# Allegro board pocketbeagle2-revA_241205.brd (continued)
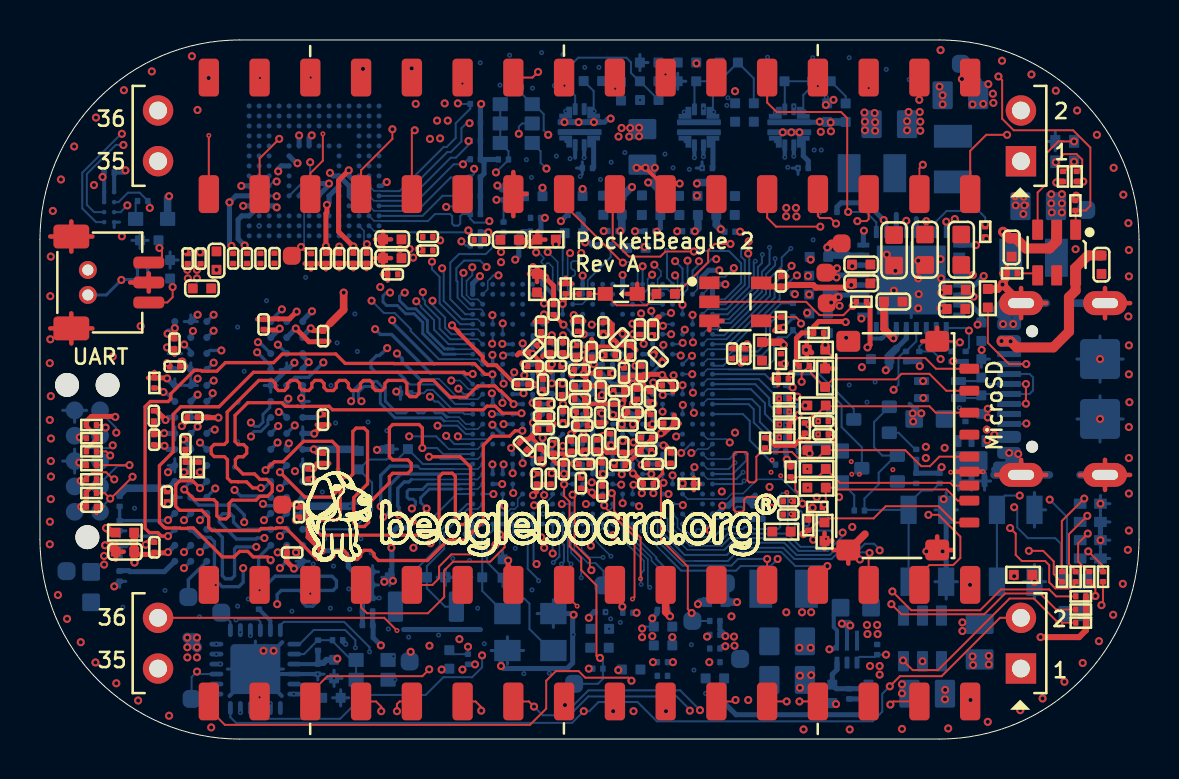
[diagram p0: board, top side]
## Routing (per net, layer and track width the routed paths; a pad name or vN(x,y) marks a point on that pad's centre or on a via; arc(x,y) is an arc through that point) (continued)
DDR_ALERTN: length 30.1
  TOP w0.168: v1(6.41,10.16) 6.08,10.16 5.9,10.34 5.47,10.34 5.26,10.55 5.26,16.64 5.52,16.9 6.41,16.9 6.55,17.03 6.55,17.29 7.67,18.41 7.68,18.41 7.72,18.46 8.06,18.46 8.1,18.42 8.85,18.42 9.28,18.85 11.69,18.85 12.12,19.28 14.8,19.28 15.27,18.81 17.7,18.81 17.71,18.79 21.74,18.79 22.28,18.26 v1(22.64,18.26)
  BOTTOM w0.168: U1.R3 22.66,18.24 v1(22.64,18.26) ; R4.2 4.31,9.64 4.83,10.16 v1(6.41,10.16) U2.P9
DDR_BA0: length 28.6
  LAY8 w0.152: v1(12.01,10.96) 12.01,11.99 12.16,12.14 13.7,12.14 14.06,12.5 14.06,14.32 14.08,14.35 14.08,14.98 14.24,15.13 14.61,15.13 14.77,14.98 14.77,12.86 14.64,12.73 14.64,12.09 14.79,11.94 15.25,11.94 15.4,12.09 15.4,15.52 15.55,15.67 15.85,15.67 16,15.53 16,12.19 16.15,12.04 16.37,12.04 16.52,12.19 16.52,14.29 16.49,14.32 16.49,14.64 16.52,14.67 16.52,15.51 17.64,16.63 19.01,16.63 v1(19.51,17.14)
  BOTTOM w0.102: U1.M1 21.25,16.27 21.17,16.35 20.47,16.35 19.92,16.9 19.76,16.9 v1(19.51,17.14)
  BOTTOM w0.168: U2.N2 v1(12.01,10.96)
DDR_BA1: length 28.9
  LAY8 w0.152: v1(17.38,19.57) 17.25,19.44 16.42,19.44 15.67,20.19 14.26,20.19 13.95,19.89 13.95,19.45 13.76,19.25 13.29,19.25 13.19,19.35 13.19,19.61 13.01,19.79 12.49,19.79 12.06,19.36 11.38,19.36 11.25,19.24 11.25,18.92 11.1,18.77 10.64,18.77 10.52,18.89 10.52,19.17 10.39,19.3 10,19.3 9.45,18.75 9.45,18.53 9.08,18.15 9.08,17.68 9.07,17.68 9.07,17.19 8.74,16.86 8.67,16.86 8.65,16.84 7.43,16.84 7.17,16.59 7.17,16.13 7.48,15.83 7.48,15.46 7.59,15.36 7.59,14.68 7.37,14.46 7.15,14.46 6.99,14.31 6.99,13.85 7.1,13.74 7.37,13.74 7.63,13.48 7.63,12.19 7.17,11.73 7.17,11.37 7.21,11.33 v1(7.21,10.96)
  BOTTOM w0.102: U1.N1 20.78,16.77 19.8,17.75 18.52,17.75 18.29,17.98
  BOTTOM w0.168: v1(17.38,19.57) 17.11,19.31 17.09,19.31 16.99,19.2 16.85,19.2 16.57,18.92 16.57,18.59 16.8,18.36 17.91,18.36 18.29,17.98 ; U2.N8 v1(7.21,10.96)
DDR_BG0: length 28.7
  LAY8 w0.152: 21.45,18.95 21.78,18.61 21.79,18.61 22.47,17.93 23.06,17.93 v1(23.2,17.79) ; 18.75,18.16 17.25,18.16 16.41,17.32 16.11,17.32 15.98,17.45 15.98,18.27 15.71,18.54 15.52,18.54 15.37,18.39 15.37,17.47 15.21,17.32 14.91,17.32 14.76,17.47 14.76,17.51 14.64,17.63 11.88,17.63 11.73,17.47 10.97,17.47 9.69,16.19 9.69,15.36 9.23,14.9 9.23,14.06 10.03,13.26 10.06,13.26 10.52,12.8 10.52,12.19 10.68,12.04 10.9,12.04 v1(11.16,11.78)
  LAY8 w0.168: 18.75,18.16 19.16,18.57 19.16,20.18 19.35,20.37 19.72,20.37 19.9,20.19 19.9,19.18 20.05,19.02 20.42,19.02 20.58,19.19 20.58,19.61 20.75,19.78 21.04,19.78 21.45,19.38 21.45,18.95
  BOTTOM w0.168: U2.M2 11.93,11.68 11.25,11.68 v1(11.16,11.78) ; U1.T4 23.16,17.84 v1(23.2,17.79)
DDR_CKE: length 29.1
  TOP w0.168: v1(19.47,14.13) 21.03,14.13 21.55,13.61 21.55,10.97 21.32,10.74 20.99,10.74 20.79,10.95 20.79,13.16 20.63,13.31 20.15,13.31 19.97,13.13 19.97,10.62 19.57,10.21 14.07,10.21 13.9,10.38 13.9,10.8 14.07,10.97 14.85,10.97 15.02,11.14 v1(15.02,12.57) 14.76,12.31 14.76,12.3 14.57,12.11 13.25,12.11 v1(12.01,13.36)
  BOTTOM w0.081: 20.5,14.02 21.91,14.02 U1.H2
  BOTTOM w0.102: v1(19.47,14.13) 19.94,14.13 20.06,14.02 20.5,14.02
  BOTTOM w0.168: R82.1 15.75,12.58 15.03,12.58 v1(15.02,12.57) ; U2.K2 v1(12.01,13.36)
DDR_CLKN: length 27.3
  LYR3 w0.109: v1(7.21,13.36) 7.5,13.65 7.5,13.8 7.39,13.91 5.7,13.91 4.79,14.82 4.79,17.16 5.05,17.42 5.63,17.42 6.03,17.01 6.62,17.01 6.96,16.68 11.04,16.68 12.02,17.66 15.71,17.66 15.95,17.42 15.95,17.05 v1(16.09,16.92)
  BOTTOM w0.081: U1.L2 21.91,15.52 21.73,15.52 21.73,15.52 21.31,15.52 20.91,15.92 20.23,15.92
  BOTTOM w0.147: 20.23,15.92 20.07,16.08 17.77,16.08 17.03,16.81 17.03,17.38 16.75,17.66 16.23,17.66 15.93,17.35 15.93,17.07 v1(16.09,16.92)
  BOTTOM w0.168: U2.K8 v1(7.21,13.36)
DDR_CLKP: length 27.4
  LYR3 w0.109: v1(8.01,13.36) 7.72,13.65 7.72,13.9 7.48,14.13 7.17,14.13 7.05,14.26 6.74,14.26 6.62,14.13 5.79,14.13 5.01,14.91 5.01,15.29 5.14,15.42 5.14,15.72 5.01,15.85 5.01,16.2 5.14,16.33 5.14,16.64 5.01,16.76 5.01,17.07 5.14,17.19 5.54,17.19 5.94,16.79 6.53,16.79 6.87,16.46 7.17,16.46 7.3,16.33 7.6,16.33 7.73,16.46 8.11,16.46 8.24,16.33 8.54,16.33 8.67,16.46 9.08,16.46 9.2,16.33 9.51,16.33 9.64,16.46 9.94,16.46 10.07,16.33 10.37,16.33 10.5,16.46 11.13,16.46 12.11,17.44 15.62,17.44 15.73,17.33 15.73,17.08 v1(15.57,16.92)
  BOTTOM w0.081: U1.L1 21.32,15.77 20.96,16.12 20.41,16.12
  BOTTOM w0.147: v1(15.57,16.92) 15.68,17.03 15.68,17.46 16.13,17.91 16.86,17.91 17.28,17.48 17.28,16.92 17.87,16.33 18.3,16.33 18.43,16.46 18.79,16.46 18.92,16.33 19.2,16.33 19.36,16.48 19.64,16.48 19.79,16.33 20.14,16.33 20.35,16.12 20.41,16.12
  BOTTOM w0.168: U2.K7 v1(8.01,13.36)
DDR_CSN: length 28.2
  TOP w0.168: v1(24.14,15.43) 23.78,15.43 23.5,15.16 22.64,15.16 22.18,14.71 22.18,10.9 21.24,9.96 20.41,9.96 19.39,8.94 16.94,8.94 16.72,9.16 16.72,9.28 16.55,9.45 16.21,9.45 16.05,9.28 16.05,9.16 15.88,8.99 15.54,8.99 15.38,9.16 15.38,9.28 15.21,9.45 14.87,9.45 14.71,9.28 14.71,9.16 14.54,8.99 13.88,8.99 12.29,10.57 11.84,10.57 11.8,10.54 11.07,10.54 10.97,10.44 8.61,10.44 8.44,10.61 8.44,11.11 8.42,11.13 8.42,11.13 8.18,11.37 8.18,11.37 8.1,11.45 6.99,11.45 6.79,11.65 6.79,12.68 6.79,12.68 6.79,12.73 6.99,12.93 7.64,12.93 v1(8.01,12.56)
  BOTTOM w0.168: U2.L7 v1(8.01,12.56) ; U1.L6 24.16,15.45 v1(24.14,15.43)
DDR_DQ0: length 18.6
  LYR3 w0.152: v1(23.2,13.75) 22.84,14.11 22.8,14.11 22.79,14.12 21.68,14.12 21.16,14.64 20.92,14.64 20.66,14.38 20.66,14.09 21.19,13.57 21.19,13.33 21.01,13.15 20.74,13.15 19.85,14.04 19.85,14.28 20.16,14.59 20.16,14.82 19.92,15.06 19.69,15.06 19.52,14.9 19.29,14.9 19.05,15.14 19.05,15.37 19.21,15.54 19.21,15.77 18.97,16.01 18.74,16.01 18.57,15.85 18.34,15.85 18.11,16.08 15.32,16.08 15.17,16.23 15.17,16.74 14.84,17.07 14.71,17.07 14.7,17.07 13.68,17.07 13.62,17.07 13.19,16.64 12.21,16.64 v1(11.95,16.38)
  BOTTOM w0.168: v1(23.2,13.75) 23.16,13.71 U1.F4 ; v1(11.95,16.38) 12.07,16.38 U2.G2
DDR_DQ1: length 18.6
  LYR3 w0.152: v1(24.16,13.81) 23.77,13.81 23.1,14.48 22.07,14.48 21.05,15.49 20.63,15.49 20.11,16.02 20.04,16.02 20.04,16.03 19.54,16.03 19.07,16.49 17.62,16.49 16.09,18.02 11.87,18.02 11.09,17.25 9.09,17.25 9.02,17.32 v1(8.64,17.32)
  BOTTOM w0.168: U2.F7 8.64,17.2 v1(8.64,17.32) ; U1.H6 v1(24.16,13.81)
DDR_DQ2: length 18.7
  LYR3 w0.152: v1(11.92,15.67) 12.43,16.18 13.45,16.18 13.62,16.35 13.62,16.44 13.85,16.67 14.54,16.67 14.72,16.5 14.72,15.9 14.94,15.67 17.35,15.67 20.86,12.15 20.86,10.61 20.99,10.49 21.23,10.49 21.4,10.65 21.4,11.78 21.88,12.27 21.88,13.41 22.22,13.75 v1(22.64,13.75)
  BOTTOM w0.168: U1.F3 22.66,13.74 v1(22.64,13.75) ; U2.H3 v1(11.92,15.67)
DDR_DQ3: length 19.1
  LYR3 w0.152: v1(17.05,11.65) 16.38,12.32 15.66,12.32 15.52,12.18 14.86,12.18 14.45,12.6 13.39,12.6 13.02,12.97 11.08,12.97 10.78,13.27 10.78,13.51 10.98,13.71 10.98,13.95 10.74,14.18 10.51,14.18 10.31,13.98 10.07,13.98 9.83,14.22 9.83,14.46 10.03,14.66 10.03,14.89 9.79,15.13 9.56,15.13 9.45,15.03 9.21,15.03 v1(8.75,15.49)
  BOTTOM w0.081: 20.67,13.52 21.91,13.52 U1.G2
  BOTTOM w0.102: 20.67,13.52 19.04,13.52 18.9,13.66
  BOTTOM w0.168: U2.H7 8.54,15.49 v1(8.75,15.49) ; v1(17.05,11.65) 17.05,13.2 17.52,13.66 18.9,13.66
DDR_DQ4: length 18.6
  LYR3 w0.152: v1(12.75,15.7) 14.28,15.7 14.71,15.27 14.8,15.27 14.81,15.26 17.19,15.26 20.46,12 20.46,9.96 20.63,9.78 21.6,9.78 21.78,9.96 21.78,11.25 22.3,11.78 22.3,13.05 22.56,13.31 v1(23.66,13.31)
  BOTTOM w0.168: U2.H2 v1(12.75,15.7) ; U1.G5 v1(23.66,13.31)
DDR_DQ5: length 19
  LYR3 w0.152: v1(17.18,11.12) 15.76,11.12 15.6,11.29 15.6,11.57 15.43,11.73 15.09,11.73 14.93,11.57 14.93,11.29 14.76,11.12 14.49,11.12 13.45,12.17 10.8,12.17 9.44,13.52 9.44,14.05 8.52,14.97 8.44,14.97 8.15,15.26 8.15,15.38 v1(7.89,15.64)
  BOTTOM w0.102: 20.01,13.27 U1.F1
  BOTTOM w0.168: 20.01,13.27 18.06,13.27 17.51,12.72 17.51,11.4 17.24,11.12 v1(17.18,11.12) ; U2.H8 v1(7.89,15.64)
DDR_DQ6: length 18.6
  LYR3 w0.152: v1(11.89,14.84) 12.26,15.21 12.66,15.21 12.98,14.89 13.86,14.89 13.89,14.87 17.03,14.87 20.1,11.79 20.1,9.75 20.51,9.35 21.73,9.35 22.18,9.8 22.18,11.23 23.13,12.17 v1(23.13,12.77)
  BOTTOM w0.168: U2.J3 v1(11.89,14.84) ; U1.E3 v1(23.13,12.77)
DDR_DQ7: length 19
  LYR3 w0.152: v1(8.01,14.84) 8.27,14.58 8.44,14.41 8.44,13.79 9.16,13.07 9.16,12.49 10.3,11.35 13.32,11.35 13.98,10.69 17.43,10.69 v1(17.97,11.23)
  BOTTOM w0.081: U1.F2 21.88,13 21.78,13 21.76,13.02 21.55,13.02 21.53,13 19.72,13
  BOTTOM w0.102: 18.59,13 19.72,13
  BOTTOM w0.168: v1(17.97,11.23) 17.97,11.6 17.91,11.66 17.91,12.55 18.23,12.87 18.46,12.87 18.59,13 ; U2.J7 v1(8.01,14.84)
DDR_DQ8: length 20
  LYR3 w0.152: v1(12.1,21.51) 12.1,21.08 12.33,20.85 12.55,20.85 12.64,20.94 12.96,20.94 13.06,20.85 13.29,20.85 13.39,20.95 13.71,20.95 14.15,20.52 16.07,20.52 16.24,20.69 16.24,20.8 16.41,20.97 16.88,20.97 17.38,20.47 17.94,20.47 18.93,19.48 20.54,19.48 20.71,19.65 20.71,20 20.49,20.22 19.08,20.22 18.33,20.97 v1(17.63,20.97)
  BOTTOM w0.102: 19.72,18.77 U1.U1
  BOTTOM w0.168: v1(12.1,21.51) 11.55,20.96 U2.A3 ; v1(17.63,20.97) 17.63,20.86 19.72,18.77
DDR_DQ9: length 20
  LYR3 w0.152: v1(7.66,20.43) 7.66,20.01 7.78,19.89 8.17,19.89 8.29,20.01 8.29,21.63 10.28,23.62 17.91,23.62 v1(19.16,22.38)
  BOTTOM w0.081: 21.36,20.02 21.91,20.02 U1.W2
  BOTTOM w0.102: 21.36,20.02 20.53,20.02 20,20.55 20,21.03 19.26,21.77 19.26,21.94 19.16,22.05 v1(19.16,22.38)
  BOTTOM w0.168: v1(7.66,20.43) 7.55,20.32 U2.B8
DDR_DQ10: length 20
  LYR3 w0.152: v1(18.83,21.92) 19.31,21.44 19.85,21.44 20.46,22.05 20.68,22.05 20.92,21.81 20.92,21.6 20.18,20.85 19.08,20.85 18.39,21.55 14.25,21.55 13.9,21.89 11.87,21.89 11.59,21.61 11.59,20.92 10.91,20.24 v1(10.91,19.87)
  BOTTOM w0.102: U1.W1 20.45,19.77 19.72,20.5 19.72,20.98 19.06,21.63 19.06,21.69 v1(18.83,21.92)
  BOTTOM w0.168: v1(10.91,19.87) 10.98,19.87 U2.C3
DDR_DQ11: length 19.6
  LYR3 w0.152: v1(23.17,19.2) 22.92,18.94 22.92,18.46 22.98,18.4 22.98,18.12 22.78,17.92 22.75,17.92 22.27,17.45 22.27,17.17 22.34,17.11 22.34,16.6 22.17,16.43 21.93,16.43 21.42,16.94 20.71,16.94 19.43,18.22 17.58,18.22 16.52,19.28 13.02,19.28 12.98,19.25 12.59,19.25 12.19,18.85 9.24,18.85 9.08,19.01 v1(9.08,19.46)
  BOTTOM w0.168: U2.C7 8.5,19.46 v1(9.08,19.46) ; U1.V5 23.24,19.27 v1(23.17,19.2)
DDR_DQ12: length 19.6
  LYR3 w0.152: v1(24.16,19.81) 24.16,20.23 23.78,20.61 23.5,20.61 23.26,20.37 23.02,20.37 22.5,20.89 22.5,20.89 22.3,21.09 22.3,21.09 22.26,21.13 22.26,22.59 22.09,22.75 21.85,22.75 21.69,22.59 21.69,21.78 21.12,21.21 21.12,19.39 20.75,19.02 18.69,19.02 17.64,20.07 12.24,20.07 v1(11.91,19.74)
  BOTTOM w0.168: U1.V6 v1(24.16,19.81) ; U2.C2 v1(11.91,19.74)
DDR_DQ13: length 19.9
  LYR3 w0.152: v1(7.22,19.75) 7.22,21.12 10.12,24.02 18.08,24.02 18.69,23.4 18.69,23.38 19.64,22.43 v1(19.64,21.94)
  BOTTOM w0.102: U1.Y1 20.59,20.27 20.29,20.57 20.29,20.59 20.27,20.6 20.27,21.1 19.64,21.73 v1(19.64,21.94)
  BOTTOM w0.168: v1(7.22,19.75) 7.55,19.42 U2.C8
DDR_DQ14: length 19.7
  LYR3 w0.152: v1(22.64,19.23) 22.18,19.69 22.18,20.65 22.02,20.81 21.78,20.81 21.61,20.65 21.61,19.32 22.03,18.9 22.03,17.85 21.75,17.58 21.44,17.58 21.28,17.75 21.28,18.47 21.11,18.64 17.72,18.64 16.69,19.67 12.85,19.67 12.82,19.64 12.42,19.64 12.02,19.24 11.6,19.24 11.48,19.36 v1(10.87,19.36)
  BOTTOM w0.168: v1(22.64,19.23) 22.66,19.22 U1.U3 ; v1(10.87,19.36) 11.55,18.68 U2.D3
DDR_DQ15: length 20.3
  LYR3 w0.152: v1(16.6,21.94) 14.89,21.94 14.54,22.3 11.72,22.3 11.16,21.74 11.16,21.05 10.51,20.4 10.51,20.1 10.15,19.74 9.61,19.74 9.31,20.03 9.07,20.03 8.52,19.48 7.68,19.48 7.51,19.31 7.51,19.01 7.68,18.84 v1(8.69,18.84)
  BOTTOM w0.081: 21.91,19.02 21.17,19.02
  BOTTOM w0.102: 21.17,19.02 19.96,19.02 18.55,20.43 18.55,20.53 17.76,21.33 17.21,21.33 v1(16.6,21.94) ; U1.U2 21.91,19.02
  BOTTOM w0.168: U2.D7 v1(8.69,18.84)
DDR_LDM: length 18.7
  LYR3 w0.152: v1(8.7,17.95) 8.92,18.17 9.33,18.17 9.43,18.07 9.43,17.87 9.6,17.7 9.96,17.7 10.08,17.82 10.08,18.28 10.25,18.45 10.56,18.45 10.73,18.28 10.73,18.18 10.89,18.01 11.13,18.01 11.56,18.45 14.09,18.45 14.12,18.42 16.26,18.42 17.79,16.89 19.29,16.89 19.79,16.38 20.25,16.38 20.84,15.8 21.34,15.8 22.28,14.86 23.29,14.86 v1(23.58,14.57)
  BOTTOM w0.168: U1.H5 23.66,14.49 v1(23.58,14.57) ; v1(8.7,17.95) 8.59,17.95 U2.E7
DDR_LDQS_N: length 18.9
  LYR3 w0.109: v1(19.35,11.54) 19.08,11.81 19.08,12.05 17.02,14.12 16.4,14.12 16.17,13.88 16.17,13.56 16.06,13.45 15.84,13.45 15.73,13.56 15.73,13.86 15.49,14.1 15.09,14.1 14.85,13.86 14.85,13.56 14.74,13.45 14.52,13.45 14.41,13.56 14.41,13.88 14.15,14.14 11.87,14.14 11.21,14.81 11.21,15.43 10.97,15.66 10.73,15.66 v1(10.56,15.84)
  BOTTOM w0.081: U1.E2 21.91,12.52 21.09,12.52
  BOTTOM w0.147: U2.F3 11.52,16.9 11.5,16.88 11.5,16.6 11.16,16.25 11.16,15.86 10.95,15.65 10.75,15.65 v1(10.56,15.84) ; v1(19.35,11.54) 19.05,11.84 19.05,12.08 19.49,12.52 21.09,12.52
DDR_LDQS_P: length 18.9
  LYR3 w0.109: v1(18.61,11.54) 18.86,11.79 18.86,11.97 16.92,13.9 16.5,13.9 16.39,13.79 16.39,13.47 16.15,13.23 15.75,13.23 15.51,13.47 15.51,13.77 15.4,13.87 15.18,13.87 15.07,13.77 15.07,13.47 14.83,13.23 14.43,13.23 14.19,13.47 14.19,13.79 14.06,13.92 11.78,13.92 10.98,14.72 10.98,15.33 10.88,15.44 10.73,15.44 10.56,15.27 v1(10.56,15.15)
  BOTTOM w0.081: 20.96,12.77 20.97,12.77
  BOTTOM w0.109: U1.E1 20.97,12.77 20.97,12.77 ; 20.96,12.76 20.96,12.77
  BOTTOM w0.147: v1(18.61,11.54) 18.79,11.72 18.79,11.89 18.67,12.01 18.47,12.01 18.37,12.11 18.37,12.4 18.47,12.5 19.14,12.5 19.4,12.76 20.96,12.76 ; v1(10.56,15.15) 10.56,15.25 10.71,15.4 11.06,15.4 11.41,15.76 11.41,16 11.51,16.1 U2.G3
DDR_ODT: length 28.1
  TOP w0.168: v1(11.29,13.46) 11.58,13.75 11.6,13.75 11.73,13.88 12.16,13.88 13.19,14.91 14.62,14.91 14.92,14.61 14.92,13.26 15.09,13.09 15.49,13.09 15.66,13.26 15.66,15.4 15.82,15.57 16.22,15.57 16.39,15.4 16.39,12.77 15.71,12.09 15.71,10.81 15.87,10.64 16.24,10.64 16.44,10.84 16.44,11.78 17.48,12.83 17.48,13.14 17.65,13.3 18.41,13.3 18.58,13.47 18.58,13.81 18.41,13.97 17.65,13.97 17.48,14.14 17.48,15.58 17.65,15.75 18.97,15.75 19.14,15.58 v1(19.14,14.57)
  BOTTOM w0.102: v1(19.14,14.57) 19.87,14.57 20.17,14.27 U1.H1
  BOTTOM w0.168: v1(11.29,13.46) 11.53,13.7 U2.K3
DDR_PARITY: length 28.2
  TOP w0.168: v1(11.54,8.96) 11.39,9.12 10.68,9.12 10.4,9.4 9.99,9.4 9.71,9.12 9.13,9.12 7.68,10.57 7.4,10.57 7.38,10.55 7.04,10.55 7.02,10.57 6.31,10.57 6.28,10.59 6.23,10.59 5.98,10.84 5.98,13.69 6.66,14.38 6.66,16.25 7.05,16.64 8.96,16.64 10.68,18.36 21.22,18.36 21.3,18.28 v1(21.66,18.28)
  BOTTOM w0.102: U1.T1 v1(21.66,18.28)
DDR_RESET#: length 12.6
  BOTTOM w0.102: U1.G1 19.16,13.77 R85.1 17.92,14.03 17.37,14.03 17.33,13.99 16.45,13.99 R84.2 16.62,12.83 16.62,11.45 15.67,10.5 U2.P1
DDR_TEN: length 3.6
  BOTTOM w0.168: R81.2 R83.1 6.38,10.94 v1(6.41,10.96) U2.N9
DDR_UDM: length 19.8
  LYR3 w0.152: v1(14.18,18.86) 14.24,18.86 14.28,18.82 16.43,18.82 17.42,17.82 19.3,17.82 19.64,17.48 19.65,17.48 20.6,16.53 21.22,16.53 22.46,15.29 23.33,15.29 23.66,15.63 23.66,16.2 23.37,16.49 23,16.49 22.8,16.69 22.8,16.97 23,17.17 23.28,17.17 23.53,17.42 23.53,17.65 23.54,17.65 23.54,17.93 23.33,18.14 23.33,18.59 23.66,18.92 23.66,19.63 23.5,19.79 v1(23.14,19.79)
  BOTTOM w0.168: U1.W5 23.24,19.77 23.22,19.79 v1(23.14,19.79) ; U2.E2 12.76,18.11 13.44,18.11 v1(14.18,18.86)
DDR_UDQS_N: length 20.1
  LYR3 w0.109: v1(18.26,22.35) 18.18,22.35 17.97,22.56 17.97,22.95 17.68,23.24 11.59,23.24 11.2,22.85 11.04,22.85 10.76,23.13 10.42,23.13 10.14,22.85 10.14,22.51 10.42,22.22 10.42,22.07 10.27,21.91 10.11,21.91 9.83,22.2 9.49,22.2 9.2,21.92 9.2,21.58 9.49,21.29 9.49,21.14 9.31,20.96 8.97,20.96 v1(8.69,21.24)
  BOTTOM w0.081: U1.V2 21.91,19.52 20.73,19.52 20.71,19.53
  BOTTOM w0.147: v1(18.26,22.35) 18.18,22.35 17.99,22.17 17.99,21.95 18.4,21.54 18.8,21.54 19.39,20.95 19.39,20.39 20.25,19.53 20.41,19.53 20.41,19.53 20.71,19.53
  BOTTOM w0.168: U2.A7 v1(8.69,21.24)
DDR_UDQS_P: length 20.1
  LYR3 w0.109: v1(8.69,20.44) 8.99,20.74 9.4,20.74 9.71,21.05 9.71,21.38 9.42,21.67 9.42,21.83 9.58,21.98 9.73,21.98 10.02,21.69 10.36,21.69 10.64,21.98 10.64,22.32 10.36,22.6 10.36,22.76 10.51,22.91 10.67,22.91 10.95,22.63 11.29,22.63 11.68,23.02 17.59,23.02 17.75,22.86 17.75,22.58 v1(17.52,22.35)
  BOTTOM w0.081: 20.79,19.27 U1.V1
  BOTTOM w0.147: v1(17.52,22.35) 17.33,22.35 17.17,22.19 17.17,21.88 17.34,21.7 17.89,21.7 18.3,21.29 18.73,21.29 19.16,20.86 19.16,20.3 20.19,19.27 20.79,19.27
  BOTTOM w0.168: U2.B7 v1(8.69,20.44)
DDR_VPP: length 29.7
  TOP w0.102: C59.1 5.72,9.32 ; C58.1 14.17,20.45
  TOP w0.254: v1(6.41,9.36) 6.37,9.32 5.72,9.32 5.65,9.24 4.85,9.24 C80.1 ; 14.17,20.45 13.67,20.45 v1(13.55,20.56)
  TOP w0.305: 14.52,20.81 14.17,20.45 14.17,20.45
  TOP w0.381: v1(4.73,8.84) 4.72,8.85 C80.1 4.71,9.38 FB4.2 ; 14.52,20.81 15.2,21.49 v1(15.2,22.35)
  LAY8 w0.381: v1(15.2,22.35) 14.92,22.07 7.43,22.07 5.14,19.79 5.14,10.87 4.78,10.52 4.78,8.91 4.73,8.86 v1(4.73,8.84)
  BOTTOM w0.254: v1(13.55,20.56) 13.15,20.16 U2.B1 ; U2.R9 v1(6.41,9.36)
DDR_VREFCA: length 9.8
  TOP w0.102: 12.92,11.64 12.95,11.62 C123.1
  TOP w0.254: TP13.1 12.78,11.73 v1(12.81,11.76) 12.92,11.64 13.16,11.64 13.42,11.39 13.42,10.11 v1(14.1,9.43)
  BOTTOM w0.102: C124.1 16.11,8.37 ; C121.2 16.14,5.73 ; C122.1 16.12,7.71 16.11,7.72
  BOTTOM w0.254: v1(14.1,9.43) 15.14,9.43 15.43,9.14 15.43,8.63 15.68,8.37 16.11,8.37 16.11,7.08 R87.1 R86.2 16.14,5.73 16.11,5.71 ; U2.M1 v1(12.81,11.76)
DRXD: length 6.4
  TOP w0.102: J4.1 5.83,23.86 6.1,24.13 6.1,24.46 v1(5.98,24.59)
  LAY8 w0.097: v1(5.98,24.59) 5.39,25.17 5.39,26.49 v1(5.5,26.59)
  BOTTOM w0.102: U13.B1 3.93,26.88 4.4,27.35 4.99,27.35 5.39,26.95 R72.2 5.5,26.83 v1(5.5,26.59) ; v1(5.98,24.59) 5.93,24.63 D7.2 5.95,24.97
DTXD: length 8.1
  TOP w0.102: v1(6.64,22.63) 6.64,22.12 6.37,21.86 J4.3
  LAY8 w0.097: v1(6.64,22.63) 6.64,23.29 5.13,24.79 5.13,25.96 v1(4.37,26.72)
  BOTTOM w0.102: U13.C1 4.03,26.38 v1(4.37,26.72) ; D8.2 6.51,22.76 v1(6.64,22.63)
E14: length 23.4
  TOP w0.102: v1(28.61,12.31) 28.74,12.19 28.74,11.4 30.06,10.08 v4(30.06,8.03) ; P1.30 v4(13.53,7.28)
  LYR2_GND w0.097: v4(13.53,7.28) 14.28,6.53 25.42,6.53 26.17,7.28 29.31,7.28 v4(30.06,8.03)
  BOTTOM w0.102: v1(28.61,12.31) U1.E14
EMMC_CLK: length 6.7
  BOTTOM w0.102: U1.AB1 21.28,21.27 20.53,22.02 20.53,23.85 20.96,24.28 22.31,24.28 22.72,24.69 22.72,24.89 R16.1
EMMC_CLK_S: length 13.3
  LYR3 w0.097: v1(11.85,27.91) 13.78,27.91 14.69,27 v1(22.84,27)
  BOTTOM w0.102: U3.M6 11.69,27.92 11.84,27.92 v1(11.85,27.91) ; R16.2 R20.1 v1(22.84,27)
EMMC_CMD: length 17.8
  LYR3 w0.097: v1(11.85,27.18) 12.71,26.31 19.69,26.31 v1(21.09,24.92)
  LAY8 w0.097: v1(21.09,24.92) 21.09,24.82 20.48,24.21 20.48,22.48 22.63,20.33 v1(22.63,19.79)
  BOTTOM w0.102: U1.Y3 22.66,19.82 v1(22.63,19.79) ; U3.M5 11.83,27.19 v1(11.85,27.18) ; R13.2 21.29,24.71 v1(21.09,24.92)
EMMC_D0: length 15.6
  LAY8 w0.097: v1(20.33,26.64) 20.43,26.54 20.43,26.31 20.53,26.21 21.27,26.21 21.37,26.12 21.37,25.92 21.27,25.83 20.53,25.83 20.43,25.73 20.43,24.68 20.1,24.35 20.1,23.6 v1(20.13,23.57)
  BOTTOM w0.081: U1.AA2 21.91,21.02 21.34,21.02
  BOTTOM w0.102: v1(20.13,23.57) 20.2,23.49 20.2,21.94 21.12,21.02 21.34,21.02 ; v1(20.33,26.64) 20.35,26.64 20.38,26.67 21.35,26.67 21.53,26.86 R12.2 20.15,27.2 19.14,26.19 U3.A3
EMMC_D1: length 16.1
  LAY8 w0.097: v1(21.17,28.78) 19.62,27.23 19.62,26.54 19.71,26.45 19.8,26.45 19.9,26.35 19.9,26.16 19.8,26.06 19.71,26.06 19.62,25.96 19.62,25.77 19.71,25.67 19.8,25.67 19.9,25.58 19.9,25.38 19.8,25.29 19.71,25.29 19.62,25.19 v1(19.62,23.9)
  BOTTOM w0.102: U1.AA1 21.04,20.77 20,21.81 20,23.14 19.62,23.52 v1(19.62,23.9) ; R11.2 21.42,29.03 v1(21.17,28.78) 20.71,28.78 18.63,26.69 U3.A4
EMMC_D2: length 17.7
  LAY8 w0.097: v1(21.5,30.83) 23.43,28.9 23.43,22.02 22.64,21.23 v1(22.64,21.23)
  BOTTOM w0.102: R10.2 21.37,30.86 21.09,30.58 21.09,29.92 20.56,29.39 20.38,29.39 18.19,27.19 U3.A5 ; v1(22.64,21.23) 22.64,21.21 22.66,21.19 U1.AA3
EMMC_D3: length 15.3
  LAY8 w0.097: v1(21.44,25.47) 21.47,25.43 21.47,24.64 20.74,23.9 20.74,22.6 20.94,22.4 21.07,22.4 21.56,22.89 21.7,22.89 21.83,22.75 21.83,22.61 21.35,22.13 21.35,21.99 21.48,21.86 21.62,21.86 22.11,22.34 22.24,22.34 22.38,22.21 22.38,22.07 21.89,21.58 21.89,21.45 22.53,20.81 v1(23.16,20.81)
  BOTTOM w0.081: U3.B2 16.72,25.44 17.19,25.44
  BOTTOM w0.102: v1(23.16,20.81) U1.Y4 ; 17.19,25.44 17.26,25.37 R9.2 v1(21.44,25.47)
EMMC_D4: length 15.2
  LAY8 w0.097: v1(22.49,25.93) 22.49,25.91 22.79,25.6 22.79,25.22 22.35,24.78 v1(22.35,23.63)
  BOTTOM w0.081: U3.B3 16.72,25.94 17.07,25.94 17.08,25.93 17.1,25.93 ; U1.AB2 22.16,21.44 22.08,21.52 21.47,21.52 20.9,22.09
  BOTTOM w0.102: v1(22.49,25.93) 22.41,25.86 21.73,25.86 21.53,26.05 R8.2 21.13,26.28 21.03,26.18 21.03,25.81 20.93,25.7 20.73,25.7 20.63,25.81 20.63,26.18 20.52,26.28 19.77,26.28 19.41,25.93 17.1,25.93 ; v1(22.35,23.63) 22.03,23.95 21.22,23.95 20.84,23.57 20.84,22.96 20.9,22.9 20.9,22.09
EMMC_D5: length 15.2
  LAY8 w0.097: v1(21.73,28.55) 21.82,28.45 21.82,27.96 21.73,27.87 21.44,27.87 21.34,27.77 21.34,27.58 21.44,27.48 21.73,27.48 21.82,27.38 21.82,27.19 21.73,27.09 21.44,27.09 21.34,27 21.34,26.8 21.44,26.71 21.73,26.71 21.82,26.61 21.82,24.41 21.19,23.77 v1(21.19,23.34)
  BOTTOM w0.081: U3.B4 16.72,26.44 17.07,26.44 17.07,26.44 17.18,26.44
  BOTTOM w0.097: R7.2 21.73,28.31 v1(21.73,28.55)
  BOTTOM w0.102: v1(21.19,23.34) 21.12,23.27 21.12,22.2 21.55,21.77 U1.AC1 ; R7.2 20.55,28.11 18.88,26.44 17.18,26.44
EMMC_D6: length 15.7
  LAY8 w0.097: v1(21.45,29.94) 21.45,29.89 22.41,28.93 22.41,26.77 23.1,26.08 23.1,25.04 22.67,24.61 22.67,23.77 22.95,23.49 v1(22.95,23.21)
  BOTTOM w0.081: U1.AD2 22.41,22.52 22.41,22.93 22.51,23.03 ; 17.1,26.95 17.07,26.95 17.07,26.94 16.86,26.94 16.86,26.95 16.71,26.95 U3.B5
  BOTTOM w0.102: 22.51,23.03 22.69,23.21 v1(22.95,23.21) ; R6.2 v1(21.45,29.94) 21.45,29.74 20.81,29.11 20.56,29.11 18.4,26.95 17.1,26.95
EMMC_D7: length 19.7
  LAY8 w0.097: v1(20.91,31.82) 20.91,29.87 22.08,28.7 22.08,24.07 v1(21.63,23.62)
  LAY8 w0.102: 21.7,23.59 21.67,23.62 v1(21.63,23.62)
  BOTTOM w0.081: 21.34,22.93 21.34,22.22 21.55,22.02 21.91,22.02 U1.AC2 ; U3.B6 16.72,27.44 17.07,27.44 17.08,27.43 17.15,27.43
  BOTTOM w0.097: 21.34,22.93 21.63,23.22 v1(21.63,23.62)
  BOTTOM w0.102: 17.15,27.43 17.99,27.43 20.2,29.64 20.35,29.64 20.8,30.09 20.8,30.83 21.53,31.56 R5.2 20.94,31.8 v1(20.91,31.82)
EMMC_RSTN: length 46.1
  LYR3 w0.097: v1(44.33,14.63) 44.33,15.19 45.09,15.95 45.09,17.98 44.38,18.69 44.38,24.28 42.68,25.98 42.68,26.9 41.54,28.04 33.28,28.04 33.11,28.22 29.98,28.22 29.85,28.09 25.82,28.09 v1(25.35,28.56)
  LAY8 w0.097: v1(44.33,14.63) 43.54,13.84 38.21,13.84 37.7,14.35 37.1,14.35 36.89,14.15 33.89,14.15 33.36,13.61 v1(32.75,13.61)
  BOTTOM w0.102: v1(25.35,28.56) 25.05,28.85 25.05,29.42 D56.2 ; v1(32.75,13.61) 32.66,13.52 U1.F23
EXTINTN: length 29.6
  LYR3 w0.097: v2(46.01,11.33) 45.83,11.5 45.83,18.26 v1(45.07,19.02)
  LAY8 w0.097: v1(29.16,11.81) 29.16,11.64 30,10.8 34.12,10.8 34.58,10.34 37.42,10.34 38.13,9.63 40.19,9.63 41.39,10.82 45.5,10.82 v2(46.01,11.33)
  BOTTOM w0.102: U17.11 44.35,20.01 44,19.66 R160.2 44.69,19.41 v1(45.07,19.02) ; v1(29.16,11.81) U1.D16
F18: length 29.2
  LYR3 w0.097: v1(45.27,14.58) 45.58,14.27 45.58,2.95 v1(46.57,1.95)
  LAY8 w0.097: v1(45.27,14.58) 44.76,15.09 41.26,15.09 40.83,14.65 36.89,14.65 36.69,14.45 33.74,14.45 33.26,13.97 31.86,13.97 31.16,13.27 v1(30.59,13.27)
  BOTTOM w0.102: U1.F18 v1(30.59,13.27)
GPIO0_3: length 24.1
  TOP w0.102: v1(53.12,6.7) 53.2,6.78 R21.1
  LYR9_GND w0.097: v1(53.12,6.7) 52.13,6.7 49.79,9.04 48.9,9.04 47.38,10.57 44.48,10.57 44,11.05 44,11.76 42.35,13.41 35.72,13.41 35.26,12.95
  LYR9_GND w0.102: 35.26,12.95 v3(35.24,12.93)
  BOTTOM w0.102: U1.E25 35.1,12.77 35.24,12.9 v3(35.24,12.93)
GPIO0_4: length 23.9
  TOP w0.102: R19.1 52.82,7.57 v1(52.82,7.16)
  LYR9_GND w0.097: 35.26,14.02 36.79,14.02 37.14,14.38 37.78,14.38 38.24,13.92 42.53,13.92 43.85,12.6 45.95,12.6 48.78,9.78 49.64,9.78 52.26,7.16 v1(52.82,7.16)
  LYR9_GND w0.102: 35.26,14.02 34.96,14.02 v3(34.78,13.84)
  BOTTOM w0.081: U1.G24 33.41,13.52 34.46,13.52
  BOTTOM w0.102: v3(34.78,13.84) 34.46,13.52
GPIO0_5: length 23.5
  TOP w0.102: v1(48.55,10.57) 48.83,10.29 48.83,9.22 49.13,8.91 50.3,8.91 50.5,8.71 50.5,7.85 50.81,7.54 51.55,7.54 51.82,7.82 R18.1